# KiCad board panel.kicad_pcb (continued)
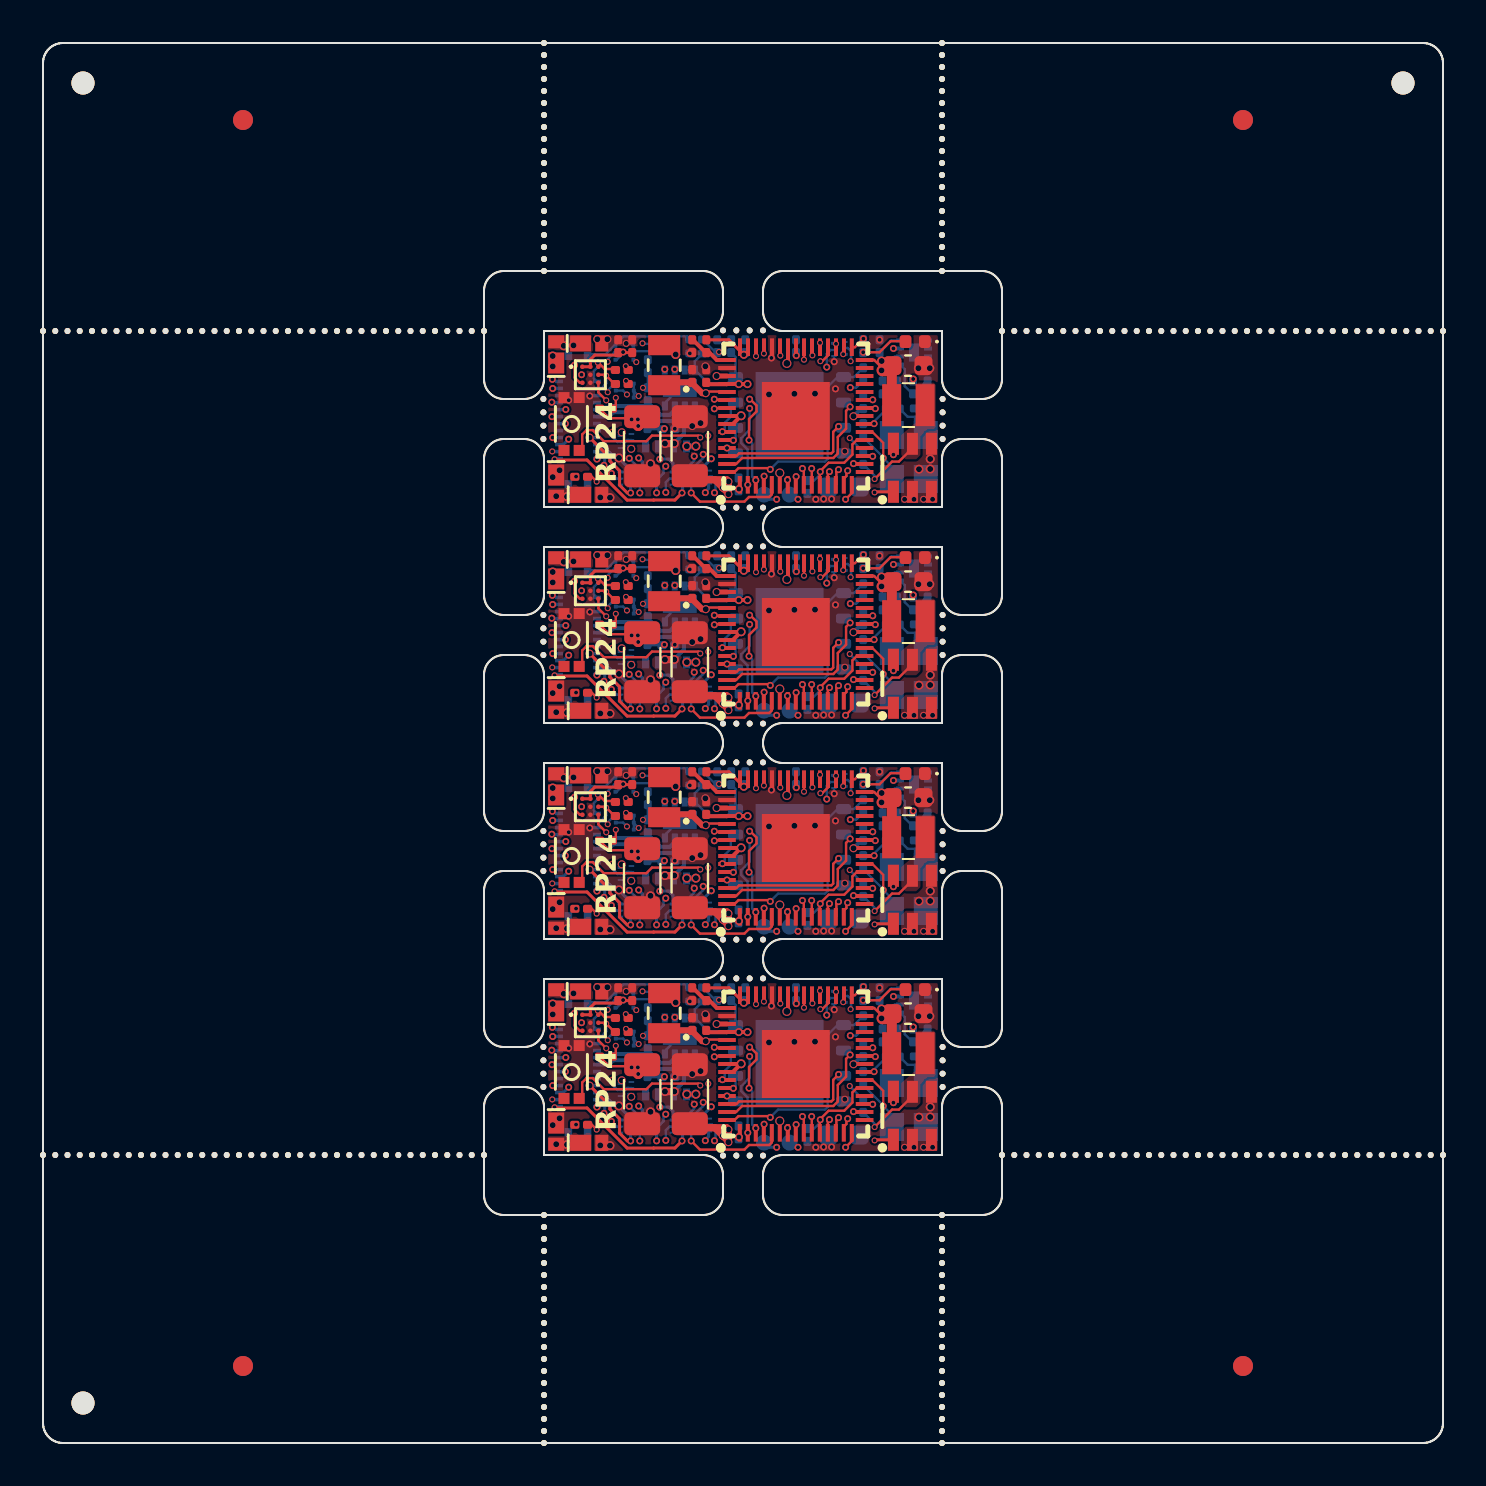
[diagram p0: board, top side]
## Routing (per net, layer and track width the routed paths; a pad name or vN(x,y) marks a point on that pad's centre or on a via; arc(x,y) is an arc through that point) (continued)
  Top w0.2: v2(40.52,40.54) 40.57,40.54 40.58,40.55 U4#4.23 ; U4#4.39 37.25,43.24 v1(37.19,43.18)
  Top w0.3: v2(33.14,41.69) 32.96,41.69 32.46,42.19 ; 31.2,42.23 C9#2.1
  In1.Cu w0.3: v2(33.14,41.69) 33.31,41.86 33.67,41.86 34.76,42.95 36.96,42.95 37.19,43.18 ; v1(36.84,37.7) 36.84,37.76 39.62,40.54 v2(40.52,40.54)
  In2.Cu w0.3: v1(37.19,43.18) 37.25,43.18 37.97,42.47 40.48,42.47 40.8,42.15 40.8,40.81 v2(40.52,40.54)
  Bottom w0.2: v2(40.52,40.54) 40.91,40.92
Board_1-+3.3V: length 30.7
  Top w0.12: v4(34.8,36.9) 34.8,37.07 ; v4(35.04,43.61) 35.15,43.72 35.2,43.72 35.25,43.77 ; v6(41.93,42.83) 41.93,42.98 41.56,43.35 U4#4.30 ; U4#4.20 40.69,39.35 40.47,39.13 40.47,38.62 40.06,38.21 39.28,38.21 38.86,37.8 v5(38.86,37.76) 38.84,37.74 U4#4.11 ; 29.88,40.44 28.31,40.44 R11#3.1
  Top w0.15: R14#3.2 34.29,44.36 v4(35.04,43.61) ; v3(41.58,36.73) 41.61,36.76 U2#3.1 ; U5#3.A1 U5#3.A2 27.37,43.38 27.59,43.59 28.63,43.59 C18.1 C19#2.1 ; 34.85,43.8 34.93,43.72 35.2,43.72
  Top w0.2: 33.25,42.14 34.19,42.14 U4#4.49 34.79,42.15 v4(34.79,42.15) v4(35.23,42.15) ; 34.49,40.15 v6(34.91,40.56) 34.89,40.55 U4#4.53
  Top w0.3: v6(41.93,43.3) 41.93,42.83 v6(41.93,42.83) 41.93,43.3 v6(41.93,43.3)
  Top w0.5: 42.44,42.8 42.47,42.83 C7#3.1 ; 42.44,42.8 42.44,41.09 ; 42.44,42.8 41.96,42.8 v6(41.93,42.83) ; v3(29.76,40.05) v3(29.43,40.38)
  Bottom w0.12: 34.58,42.54 34.22,42.18 33.26,42.18 U6#3.8 ; Q4#3.4 28.68,43.36 28.89,43.57 28.89,43.63 v5(29,43.75) ; U1#3.8 42.41,44.33 41.83,43.74 ; v5(38.86,37.76) 38.86,37.63 38.55,37.32 C16#3.1 ; U6#3.8 U6#3.7 ; U6#3.8 32.59,43.29 C20#2.1 ; v6(41.93,43.3) 41.83,43.4 C1#2.2 ; C3.1 34.63,43.5 U3#2.8 ; v6(41.93,42.83) 41.93,42.35
  Bottom w0.15: v5(26.12,40.17) 26.12,40.17 26.11,40.17 J3#3.18
  vias: v3(29.74,40.38) v5(37.66,43.57)
Board_1-/ADC_EMF_A: length 7.7
  In3.Cu w0.12: v5(31.07,39.91) 31.07,40.46 32.79,42.18 33.83,42.18 34.66,43.01 35.57,43.01 36.05,43.48 v3(36.05,43.67)
  Bottom w0.12: R17#3.2 30.25,39.89
Board_1-/ADC_EMF_B: length 7.8
  Top w0.12: v3(35.65,43.54) U4#4.43
  In3.Cu w0.12: v3(30,41.96) 32.24,41.96 32.95,42.66 33.27,42.66 33.85,43.24 35.35,43.24 v3(35.65,43.54)
  Bottom w0.12: v3(30,41.96) R18.1 R19#3.2
Board_1-/AUX1 (VDC): length 3.9
  In1.Cu w0.15: v5(29.78,38.45) 29.78,38.4 29.43,38.04 28.08,38.04 28.06,38.06 28.06,38.07 v5(28.05,38.09)
  Bottom w0.15: v5(29.78,38.45) 29.97,38.27 29.97,37.84 30.06,37.75 Q5.6 ; 27.7,38.77 27.91,38.77 28.09,38.6 28.09,38.13 28.06,38.11 28.06,38.1 v5(28.05,38.09)
Board_1-/AUX2 (VDC): length 4.6
  In1.Cu w0.15: v5(30.68,36.71) 30.13,37.26 28.24,37.26 27.61,37.89 27.61,38.31 27.69,38.39 27.69,38.39 v5(27.7,38.39)
  Bottom w0.15: 27.7,38.42 27.7,38.4 v5(27.7,38.39) ; Q5.3 30.68,36.71 v5(30.68,36.71)
Board_1-/AUX3: length 19.5
  Top w0.12: 41.09,38.54 41.48,38.54 v5(41.48,38.53)
  In4.Cu w0.12: v5(41.48,38.53) 40.83,38.53 40.23,39.13 39.88,39.13 39.49,39.13 39.02,39.61 36.18,39.61 35.63,40.15 34.76,40.15 34.51,40.4 34.51,40.99 33.44,42.06 30.9,42.06 30.03,41.19 29.04,41.19 28.84,40.99 27.13,40.99 26.43,41.69 25.89,41.69 v5(25.44,41.24)
  Bottom w0.12: 25.8,41.23 25.48,41.23 25.47,41.24 v5(25.44,41.24)
Board_1-/AUX4: length 16.6
  Top w0.12: U4#4.17 40.55,38.15 v5(40.53,38.17)
  In4.Cu w0.12: v5(40.53,38.17) 40.25,38.44 39.85,38.44 38.92,39.38 36.08,39.38 35.54,39.92 34.63,39.92 34.21,40.34 33.25,40.34 33.25,40.34 33.03,40.57 31.75,40.57 31.39,40.93 29.1,40.93 28.94,40.76 26.23,40.76 26.17,40.82 26.17,40.85 v5(26.14,40.88)
  Bottom w0.12: 25.8,40.88 v5(26.14,40.88)
Board_1-/AUX5 (VDC): length 10
  In4.Cu w0.15: v5(25.48,39.47) 25.48,39.48 25.76,39.75 27.06,39.75 27.43,40.12 29.22,40.12 29.73,39.61 30.08,39.61 30.93,38.76 31.25,38.76 31.83,38.18 33.18,38.18 v5(33.41,38.41)
  Bottom w0.15: v5(33.41,38.41) 32.8,37.8 Q8#3.6
Board_1-/AUX6 (VDC): length 6.9
  In4.Cu w0.15: v5(26.29,39.39) 26.6,39.08 29.04,39.08 29.25,39.29 29.94,39.29 v5(30.84,38.39)
  Bottom w0.15: 25.8,39.12 26.02,39.12 v5(26.29,39.39) ; Q7#4.6 31.5,38.19 31.29,38.4 30.99,38.4 30.98,38.39 v5(30.84,38.39)
Board_1-/AUX7 (VDC): length 9.5
  In4.Cu w0.15: v5(33.12,36.72) 32.64,37.2 28.31,37.2 27.15,38.35 26.36,38.35 25.91,38.8 25.45,38.8 25.44,38.8 25.44,38.8 v3(25.46,38.78)
  Bottom w0.15: Q8#3.3 33.28,36.93 33.12,36.76 v5(33.12,36.72) ; v3(25.46,38.78) 25.46,38.78 25.8,38.77
Board_1-/AUX8 (VDC): length 8.1
  Top w0.15: v5(31.95,36.7) 31.6,36.35 30.53,36.35 30.53,36.34 29.21,36.34 27.2,38.35 25.61,38.35 v3(25.58,38.39)
  Bottom w0.15: v5(31.95,36.7) 31.98,36.73 Q7#4.3 ; v3(25.58,38.39) 25.76,38.39 25.8,38.42
Board_1-/AUX10: length 17.3
  Top w0.12: v5(40.23,37.81) 40.17,37.75 40.17,37.55 40.04,37.42
  In4.Cu w0.12: v5(25.45,40.52) 25.45,40.53 25.45,40.53 29.03,40.53 29.2,40.7 31.29,40.7 32.09,39.9 32.09,39.89 32.31,39.68 32.61,39.68 32.73,39.79 33,39.79 33.32,40.11 34.11,40.11 34.54,39.68 34.55,39.69 35.44,39.69 35.99,39.15 38.82,39.15 39.76,38.21 39.92,38.21 40.23,37.9 v5(40.23,37.81)
  Bottom w0.12: 25.8,40.52 25.46,40.52 v5(25.45,40.52)
Board_1-/AUX11: length 16
  In4.Cu w0.12: v5(35.33,40.93) 35.3,40.93 34.25,41.98 34.25,42.62 33.95,42.92 33.53,42.92 32.92,42.31 29.67,42.31 29.31,41.95 28.94,41.95 28.81,42.08 28.12,42.08 27.97,41.92 v5(25.48,41.92)
  Bottom w0.12: v5(35.24,37.11) 35.23,37.12 35.23,38.88 34.91,39.2 34.91,39.44 35.33,39.86 v5(35.33,40.93) ; v5(25.48,41.92) 25.8,41.92
Board_1-/AUX12: length 17.1
  Top w0.12: v5(35.33,41.39) 35.36,41.39 35.68,41.07 35.68,40.78 35.3,40.4 v5(35.3,39.34)
  In4.Cu w0.12: v5(35.33,41.39) 35.61,41.67 35.61,42.49 35.09,43.01 34.79,43.01 34.6,43.2 33.57,43.2 33.32,43.45 32.92,43.45 32.01,42.54 30.59,42.54 30.47,42.67 28.57,42.67 28.31,42.92 28.01,42.92 27.36,42.27 25.58,42.27 v5(25.47,42.38)
  Bottom w0.12: v5(35.64,37.34) 35.46,37.52 35.46,39.18 v5(35.3,39.34)
Board_1-/CAP_ENABLE: length 16.3
  In1.Cu w0.12: v3(33.26,39.56) 33.26,39.69 33.12,39.83 32.76,39.83 32.51,39.57 30.93,39.57 30.72,39.37 28.78,39.37 28.48,39.67 v3(28.48,39.77)
  In3.Cu w0.12: v3(33.26,39.56) 33.87,40.17 38.38,40.17 39.55,41.34 39.55,41.34 40.01,41.8 v3(40.01,43.64)
  Bottom w0.12: v3(28.48,39.77) 28.55,39.7 28.55,39.43 28.73,39.25 Q2#3.5 29.1,39.25 29.2,39.35 Q2#3.2
Board_1-/CAP_VDC: length 10.9
  Top w0.35: v6(31.1,39.17) 31.1,39.17 31.56,39.17 v6(31.56,39.17) ; v2(34.27,37.27) 34.27,36.64 v2(34.27,36.64) 34.27,36.69 v2(33.99,36.96) ; v2(34.27,37.27) 33.99,37 v2(33.99,36.96) ; v2(34.27,37.27) 34.18,37.37 32.55,37.37 33.59,37.37 v2(33.99,36.96)
  In3.Cu w0.4: v2(28.94,39.74) 29.53,39.14 29.54,39.14 ; 29.54,39.14 29.41,39.01 v2(29.41,38.91) ; 29.54,39.14 29.58,39.18 31.56,39.18 v6(31.56,39.17)
  Bottom w0.12: 28.91,39.67 28.91,39.71 v2(28.94,39.74)
  Bottom w0.2: 31.53,39.15 31.91,39.54 31.91,39.54 32.05,39.68 32.05,40.29 32.59,40.83 U6#3.1
  vias: v7(43.08,36.38) v7(43.55,36.38) v7(44.03,36.38) v7(44.48,36.38)
Board_1-/COMP_N: length 2.5
  Bottom w0.12: 42.06,41.66 42.06,41.7 42.57,42.21 42.62,42.21 ; U1#3.6 42.59,43.52 42.46,43.4 42.46,42.54 R4.1
Board_1-/COMP_P: length 2.8
  Bottom w0.12: R1#4.2 43.54,41.66 44.18,42.3 R2#4.1 ; 42.85,43.12 43.09,42.9 43.09,42.04 43.47,41.66 43.53,41.66
Board_1-/DCC_TTL: length 0
  Bottom w0.12: v3(39.65,44.16) 39.64,44.17
Board_1-/GPIO2: length 4.6
  Top w0.12: v5(36.05,37.54) 36.04,37.53 U4#4.4
  In4.Cu w0.12: v5(33.57,36.71) 33.57,37.1 34.16,37.69 35.91,37.69 v5(36.05,37.54)
  Bottom w0.12: Q8#3.2 33.45,37.52 33.62,37.34 33.62,36.76 v5(33.57,36.71)
Board_1-/GPIO3: length 5.8
  Top w0.12: v5(32.41,36.7) 32.85,36.27 35.07,36.27 35.3,36.5 36.31,36.5 36.44,36.63 U4#4.5
  Bottom w0.12: Q8#3.5 32.54,37.42 32.41,37.29 v5(32.41,36.7)
Board_1-/GPIO4: length 8.3
  In3.Cu w0.12: v5(37.23,37.35) 37.3,37.43 37.3,37.8 36.87,38.23 36.22,38.23 35.7,37.71 34.16,37.71 33.52,37.07 31.48,37.07 v5(31.14,36.73)
  Bottom w0.12: Q7#4.5 31.33,37.42 31.14,37.23 v5(31.14,36.73)
Board_1-/GPIO5: length 10.1
  Top w0.12: U4#4.8 37.64,37.51 v5(37.65,37.52)
  In4.Cu w0.12: v5(29.84,36.7) 30.27,36.27 36.08,36.27 36.82,37.01 37.42,37.01 37.6,37.19 37.6,37.47 v5(37.65,37.52)
  Bottom w0.12: v5(29.84,36.7) 29.84,37.32 29.94,37.42 Q5.5
Board_1-/GPIO6: length 11.5
  Top w0.12: v5(37.97,37.92) 38.04,37.86 U4#4.9
  In4.Cu w0.12: v5(28.42,37.68) 28.66,37.44 33.58,37.44 34.06,37.91 35.91,37.91 36.22,38.23 37.67,38.23 v5(37.97,37.92)
  Bottom w0.12: Q6.5 28.68,37.42 v5(28.42,37.68)
Board_1-/GPIO7: length 12.2
  Top w0.12: U4#4.10 38.44,37.92 v5(38.43,37.92)
  In4.Cu w0.12: v5(29.31,38.44) 30.07,37.67 33.49,37.67 33.96,38.15 35.81,38.15 36.13,38.46 38.1,38.46 38.43,38.13 38.43,37.95
  Bottom w0.12: Q6.2 29.64,37.52 29.72,37.6 29.72,38.02 v5(29.31,38.44)
Board_1-/GPIO8: length 10.4
  Top w0.12: U4#4.12 39.24,37.69 v5(39.32,37.77)
  In4.Cu w0.12: v5(31.14,38.04) 31.24,37.93 33.43,37.93 33.87,38.38 35.72,38.38 36.03,38.69 38.42,38.69 39.32,37.79 v5(39.32,37.77)
  Bottom w0.12: Q5.2 30.85,37.52 31.03,37.69 31.03,37.93 v5(31.14,38.04)
Board_1-/GPIO9: length 9.8
  Top w0.12: 39.67,37.14 39.67,37.76 v5(39.78,37.87)
  In4.Cu w0.12: v5(39.78,37.87) 38.73,38.92 35.93,38.92 35.62,38.6 33.71,38.6 33.56,38.76 33.13,38.76 v5(33.01,38.63)
  Bottom w0.12: Q7#4.2 32.14,37.52 32.36,37.74 32.36,37.8 33.01,38.45 v5(33.01,38.63)
Board_1-/GPIO25: length 8
  Top w0.12: v3(38.05,43.37) U4#4.37
  In4.Cu w0.12: v3(38.05,43.37) 37.47,42.78 35.95,42.78 35.5,43.24 34.89,43.24 34.7,43.43 33.67,43.43 33.42,43.68 32.83,43.68 32.03,42.89 v5(31.59,42.89)
Board_1-/GPIO26: length 7.4
  Top w0.12: v3(36.86,43.57) 36.85,43.58 U4#4.40
  In4.Cu w0.12: v3(36.86,43.57) 36.86,43.5 36.29,44.07 31.52,44.07 31.09,43.64 v5(31.09,42.89)
Board_1-/I2S_BCLK: length 14.1
  Top w0.12: v5(26.58,43.09) 26.58,43 26.58,43 26.58,42.47 26.84,42.21 U5#3.C1
  In4.Cu w0.12: v5(26.58,43.09) 26.58,43.09 27.37,43.89 28.38,43.89 29.02,44.53 38.53,44.53 v3(38.85,44.21)
Board_1-/I2S_DIN: length 14.5
  Top w0.12: v3(38.87,43.29) 38.96,43.29 39.25,43.58 U4#4.34
  In4.Cu w0.12: v5(26.93,42.61) 26.93,42.91 27.59,43.58 28.39,43.58 28.57,43.4 29.29,43.4 29.49,43.6 29.85,43.6 30.54,44.3 38.25,44.3 38.87,43.68 v3(38.87,43.29)
Board_1-/I2S_LRCLK: length 15.8
  Top w0.12: U4#4.36 38.45,43.6 v3(38.47,43.58) ; v3(28.16,41.33) 27.77,41.73 U5#3.C3
  In3.Cu w0.12: v3(28.16,41.33) 27.38,42.11 27.38,43.37 28.03,44.02 28.37,44.02 28.88,44.53 37.52,44.53 v3(38.47,43.58)
Board_1-/LAMP_FRONT: length 4.6
  Top w0.15: v5(29.38,36.7) 29.22,36.7 28.83,37.09 28.83,37.81 28.34,38.3 28.34,38.47 27.34,39.47 v2(27.33,39.47)
  Bottom w0.15: v5(29.38,36.7) Q6.3 ; v2(27.33,39.47) 27.33,39.48 27.7,39.48
Board_1-/LAMP_REAR: length 2
  Bottom w0.15: 28.88,37.75 28.37,38.26 28.37,38.69 27.93,39.12 27.7,39.12
Board_1-/MOTOR_A: length 5.1
  Bottom w0.2: 27.7,40.52 28.3,40.52 28.51,40.74 29.91,40.74 29.92,40.73 30.3,40.73 30.73,40.3 31.53,40.3 32.09,40.86 U6#3.2
Board_1-/MOTOR_B: length 4.7
  Bottom w0.12: 30.43,41.04 30.24,41.23
  Bottom w0.2: 27.7,40.88 27.8,40.97 28.31,40.97 28.39,41.05 30.04,41.05 30.05,41.04 30.43,41.04 30.86,40.61 31.34,40.61 31.59,40.86 U6#3.3
Board_1-/QSPI_CS: length 10.4
  Top w0.12: 34.58,37.75 34.77,37.94 36.3,37.94 v5(36.36,37.88)
  Bottom w0.12: U3#2.1 40.54,42.49 R6.1 ; v5(36.36,37.88) 36.75,38.27 39.1,38.27 39.23,38.4 39.23,42 39.72,42.49
Board_1-/QSPI_SCLK: length 0.7
  Bottom w0.12: U3#2.6 34.63,39.45 v5(34.52,39.34)
Board_1-/QSPI_SD0: length 0.4
  Bottom w0.12: 34.47,38.69 v5(34.2,38.95)
Board_1-/QSPI_SD1: length 8.7
  Top w0.12: U4#4.59 34.65,38.15 34.95,38.45 39.52,38.45 39.74,38.67 39.74,39.5 40.15,39.91 40.15,40.81 v5(40.35,41.01)
  Bottom w0.12: v5(40.35,41.01) 40.14,41.23
Board_1-/QSPI_SD2: length 6.8
  Top w0.12: v5(39.78,40.03) 39.51,39.76 39.51,38.77 39.42,38.68 34.8,38.68 34.67,38.55 U4#4.58
Board_1-/QSPI_SD3: length 1.7
  Bottom w0.12: U3#2.7 34.39,40.98 34.39,40.51 34.09,40.21 34.09,39.88 v5(33.97,39.76)
Board_1-/RC_TX: length 14.6
  Top w0.12: R13#3.2 27.44,37.51 v3(27.68,37.27) ; v5(40.13,36.38) 40.44,36.7 U4#4.15
  In1.Cu w0.12: v3(27.68,37.27) 27.94,37.02 28.36,37.02 29.11,36.27 36.08,36.27 36.55,36.74 39.77,36.74 v5(40.13,36.38)
Board_1-/SPEAKER_N: length 2
  Top w0.12: U5#3.B3 28.11,42.61 v3(28.16,42.56) 28.58,42.15
  Bottom w0.12: 27.7,41.92 27.91,41.92 28.16,42.17 v3(28.16,42.56)
Board_1-/SPEAKER_P: length 2.3
  Top w0.12: U5#3.A3 27.77,43.2 v3(27.74,43.22) 27.77,43.22 28.09,42.9 28.57,42.9
  Bottom w0.12: v3(27.74,43.22) 27.74,43 27.55,42.81 27.55,42.42 27.7,42.27
Board_1-/SWCLK: length 10.1
  Top w0.15: U4#4.24 41.58,40.95 v5(41.62,40.92)
  In4.Cu w0.15: v5(37.75,36.39) 37.75,36.63 38.22,37.1 40.66,37.1 41.29,37.73 42.51,37.73 43.14,38.36 43.14,39.5 41.72,40.92 v5(41.62,40.92)
Board_1-/SWDIO: length 12
  Top w0.15: v5(41.49,41.36) 41.48,41.35 U4#4.25
  In4.Cu w0.15: v5(41.49,41.36) 41.26,41.13 41.26,40.75 41.48,40.53 41.74,40.53 42.88,39.39 42.88,38.47 42.41,37.99 41.18,37.99 40.55,37.36 38.12,37.36 37.52,36.77 37.01,36.77 36.68,36.43 v5(36.68,36.38)
  Bottom w0.15: v5(36.68,36.38) 36.29,36.38 J1#2.1
Board_1-/SWITCH: length 3.7
  Top w0.12: v3(41.58,37.4) 42.45,38.27 42.79,38.27 43.47,38.95 U2#3.5
  Bottom w0.12: C5#2.2 41.58,37.56 v3(41.58,37.4)
Board_1-/TRACK_LEFT: length 5.5
  Bottom w0.12: 27.33,43.64 28.13,43.64 28.55,44.06 Q4#3.6 28.62,44.13 29.02,44.53 32.19,44.53 R7.2
  vias: v6(26.04,44.06) v6(26.52,44.08)
Board_1-/TRACK_RIGHT: length 8.6
  In2.Cu w0.12: v6(25.66,36.54) 25.66,37.11 26.22,37.67 26.22,38.46 25.83,38.86 25.83,39.62 25.73,39.71 25.73,40.28 25.79,40.34 25.79,40.68 25.77,40.7 25.77,41.02 25.89,41.14 25.89,41.43 26.17,41.71 26.98,41.71 27.17,41.9 28.08,41.9 v3(28.24,41.74)
  Bottom w0.12: Q3#3.6 28.58,42.17 28.24,41.83 v3(28.24,41.74)
  vias: v6(26.2,36.52)
Board_1-/USB_N: length 5.7
  Top w0.12: v5(33.57,40.91) 33.61,40.95 U4#4.52
  In1.Cu w0.12: v3(29.15,42.31) 29.22,42.38 30.58,42.38 31.93,41.03 33.45,41.03 v5(33.57,40.91)
Board_1-/USB_P: length 5.9
  Top w0.12: U4#4.51 33.6,41.35 v5(33.57,41.39)
  In1.Cu w0.12: v3(29.14,43.04) 29.56,42.62 30.68,42.62 32.03,41.27 33.45,41.27 v5(33.57,41.39)
Board_1-/XIN: length 4.6
  Top w0.11: U4#4.21 41.47,39.75 42.01,39.21 v5(42.01,38.45)
  Bottom w0.11: C6.1 41.01,39.49 42.01,38.49 v5(42.01,38.45) 42.44,38.02 Y1#2.1
Board_1-/XOUT: length 1.5
  Top w0.12: v5(41.55,40.17) 41.54,40.15 U4#4.22
  Bottom w0.12: v5(41.55,40.17) 41.55,40.27 42.17,40.89 R5#4.2
Board_1-GND: length 5.9
  Top w0.12: U4#4.41 36.45,43.48 v5(36.42,43.45)
  Bottom w0.12: v5(26.29,41.34) 26.29,41.35 26.07,41.58 25.8,41.58 ; Q7#4.1 32.05,37.82 32.56,38.33 v5(32.56,38.54) ; v5(39.56,43.26) 39.55,43.28 Q1#2.4 ; v7(29.16,44.18) 29.4,44.18 Q4#3.1 ; 32.16,42.34 32.55,42.34 ; 31.16,41.28 31.17,41.28 U6#3.9
  Bottom w0.15: Q6.1 28.8,38.43 v6(28.8,38.45) ; 27.7,41.58 27.36,41.58 v5(27.34,41.55) ; v6(30.38,38.16) 30.38,38.12 30.68,37.82 Q5.1
  vias: v2(27.72,44.39) v2(28.22,44.39) v2(32.46,40.05) v2(32.88,40.2) v2(33.12,43.03) v5(31.59,39.91) v5(32.34,43.68) v5(38.64,36.38) v5(39.03,36.4) v5(39.43,36.4) v5(39.62,41.91) v5(41.83,44.36) v6(27.87,36.48) v6(28.35,36.47) v6(36.3,41.63) v6(37.57,41.66) v6(38.6,41.67) v6(43.77,42.94) v6(43.8,37.89) v6(44.34,42.94) v6(44.36,38.4) v6(44.36,37.9) v7(40.09,38.79)
Board_1-Net-(C4-Pad1): length 2.9
  Bottom w0.12: R5#4.1 43.23,40.51 43.79,40.51 C4.1 ; Y1#2.3 43.6,40.14 43.6,40.51
Board_1-Net-(D7-A): length 2.3
  Top w0.12: v5(41.01,43.74) 41.83,43.74 42.38,44.29 43.1,44.29
Board_1-Net-(Q1A-G1): length 9.6
  In2.Cu w0.12: v3(40.38,43.29) 40.38,43.93 39.78,44.53 34.58,44.53 v3(33.8,43.75)
  Bottom w0.12: Q1#2.2 40.24,43.95 40.4,43.79 40.4,43.31 v3(40.38,43.29) ; 33.64,43.72 R7.1
Board_1-Net-(Q1B-G2): length 5.2
  In4.Cu w0.12: v5(39.19,42.99) 39.27,42.92 39.92,42.92 39.92,42.92 40.98,42.92 41.99,43.93 v5(42.52,43.93)
  Bottom w0.12: v5(42.52,43.93) 42.6,43.93 42.6,43.92 42.85,43.92 ; v5(39.19,42.99) 39.19,43.66 39.38,43.85 Q1#2.5
Board_1-Net-(Q3A-B1): length 5
  In2.Cu w0.12: v3(29.97,44.19) 29.98,44.18 29.98,43.11 29.53,42.66 29.53,41.8 v3(29.78,41.55)
  Bottom w0.12: Q3#3.2 Q3#3.3 ; Q3#3.1 29.54,41.79 v3(29.78,41.55) ; R12#4.1 30,44.16 v3(29.97,44.19)
Board_1-Net-(Q3B-B2): length 9.9
  In1.Cu w0.12: v3(29.2,41.63) 29.2,41.43 28.29,40.52 25.97,40.52 25.76,40.31 25.76,39.68 25.83,39.62 25.83,38.86 26.65,38.04 v3(26.65,37.52)
  In3.Cu w0.12: v3(29.2,41.63) 29.51,41.94 29.51,43.09 v3(29.66,43.24)
  Bottom w0.12: v3(29.66,43.24) 29.64,43.24 Q4#3.3 ; v3(29.2,41.63) 29,41.82 Q3#3.5
Board_1-Net-(Q3B-E2): length 3.2
  Top w0.12: v3(28.64,41.46) 28.64,41.09 R11#3.2
  In3.Cu w0.12: v3(28.64,41.46) 28.64,42.86 v3(28.24,43.26)
  Bottom w0.12: Q4#3.5 28.56,43.71 28.24,43.39 v3(28.24,43.26)
Board_1-Net-(Q4A-B1): length 2.2
  Bottom w0.12: Q4#3.2 29.6,43.79 31.21,43.79 R12#4.2
Board_1-Net-(R6-Pad2): length 16.6
  Top w0.12: v3(32.86,39.47) 32.77,39.57 30.45,39.57 30.17,39.29 28.04,39.29 27.49,39.84 27.18,39.84 26.96,39.63 26.96,38.98 26.96,38.98
  In3.Cu w0.12: v3(32.86,39.47) 33.09,39.24 33.94,39.24 34.63,39.94 38.47,39.94 39.78,41.24 39.78,41.25 40.36,41.83 v5(40.36,41.97)
  Bottom w0.12: v5(40.36,41.97) 40.66,41.97 R6.2
Board_1-Net-(U2-BST): length 3.5
  In1.Cu w0.12: v5(42.52,38.61) 41.69,39.45 v3(40.34,39.45)
  Bottom w0.12: v3(40.34,39.45) 40.34,39.44 C5#2.1
Board_1-Net-(U4-GPIO19): length 0.8
  Top w0.12: U4#4.31 40.59,43.99 v5(41.02,44.41)
Board_1-Net-(U4-VREG_AVDD): length 2.1
  Top w0.2: R14#3.1 33.32,43.72 33.69,43.35 U4#4.46 ; 33.14,43.72 32.5,44.36
Board_1-Net-(U4-VREG_LX): length 3.1
  Top w0.25: v2(33.68,42.55) U4#4.48
  In1.Cu w0.35: v6(31.63,43.63) 31.63,43.56 32.64,42.55 v2(33.68,42.55)
Board_1-VDC: length 13.3
  In3.Cu w0.12: v5(43.51,42.4) 41.39,42.4 40.61,41.62 40.48,41.62 40.01,41.15 40.01,41.15 38.57,39.71 35.18,39.71 34.95,39.48 34.95,39.21 34.34,38.6 34.06,38.6 33.65,39.01 32.67,39.01 v6(32.64,39.04)
  Bottom w0.3: 32.18,39.03 32.63,39.03 v6(32.64,39.04)
  vias: v6(25.49,43.55) v6(25.49,43.03) v6(25.49,37.49) v6(25.83,37.84) v6(32.19,39.04)
Board_2-+1V1: length 20.5
  Top w0.12: 34.18,30.97 33.22,30.97 v2(33.14,30.89)
  Top w0.2: U4#2.23 40.58,29.75 40.57,29.74 v2(40.52,29.74) ; U4#2.39 37.25,32.44 v1(37.19,32.38)
  Top w0.3: 31.2,31.43 C9#4.1 ; 32.46,31.39 32.96,30.89 v2(33.14,30.89)
  In1.Cu w0.3: v1(36.84,26.9) 36.84,26.96 39.62,29.74 v2(40.52,29.74) ; 37.19,32.38 36.96,32.15 34.76,32.15 33.67,31.06 33.31,31.06 v2(33.14,30.89)
  In2.Cu w0.3: v1(37.19,32.38) 37.25,32.38 37.97,31.66 40.48,31.66 40.8,31.35 40.8,30.01 v2(40.52,29.74)
  Bottom w0.2: v2(40.52,29.74) 40.91,30.12
Board_2-+3.3V: length 30.7
  Top w0.12: v4(34.8,26.1) 34.8,26.27 ; 35.25,32.97 35.2,32.92 35.15,32.92 v4(35.04,32.81) ; U4#2.20 40.69,28.55 40.47,28.33 40.47,27.82 40.06,27.41 39.28,27.41 38.86,27 v5(38.86,26.96) 38.84,26.94 U4#2.11 ; v6(41.93,32.03) 41.93,32.18 41.56,32.55 U4#2.30 ; 29.88,29.64 28.31,29.64 R11#2.1
  Top w0.15: 35.2,32.92 34.93,32.92 34.85,33 ; U2#2.1 41.61,25.96 v3(41.58,25.93) ; U5.A1 U5.A2 27.37,32.58 27.59,32.8 28.63,32.8 C18#3.1 C19#3.1 ; v4(35.04,32.81) 34.29,33.56 R14#2.2
  Top w0.2: 33.25,31.34 34.19,31.34 U4#2.49 34.79,31.35 v4(34.79,31.35) v4(35.23,31.35) ; U4#2.53 34.89,29.75 v6(34.91,29.76) 34.49,29.35
  Top w0.3: v6(41.93,32.5) 41.93,32.03 v6(41.93,32.03) 41.93,32.5 v6(41.93,32.5)
  Top w0.5: 42.44,31.99 41.96,31.99 v6(41.93,32.03) ; 42.44,31.99 42.47,32.03 C7.1 ; 42.44,31.99 42.44,30.29 ; v3(29.76,29.25) v3(29.43,29.58)
  Bottom w0.12: C20.1 32.59,32.49 U6#4.8 ; 41.83,32.94 42.41,33.52 U1#4.8 ; U6#4.8 U6#4.7 ; U6#4.8 33.26,31.38 34.22,31.38 34.58,31.74 ; C1#3.2 41.83,32.6 v6(41.93,32.5) ; v6(41.93,32.03) 41.93,31.55 ; v5(38.86,26.96) 38.86,26.83 38.55,26.52 C16#2.1 ; v5(29,32.95) 28.89,32.83 28.89,32.77 28.68,32.56 Q4.4 ; C3#3.1 34.63,32.7 U3#4.8
  Bottom w0.15: J3.18 26.11,29.37 26.12,29.37 v5(26.12,29.37)
  vias: v3(29.74,29.58) v5(37.66,32.77)
Board_2-/ADC_EMF_A: length 7.7
  In3.Cu w0.12: v5(31.07,29.12) 31.07,29.66 32.79,31.38 33.83,31.38 34.66,32.21 35.57,32.21 36.05,32.68 v3(36.05,32.87)
  Bottom w0.12: R17.2 30.25,29.09
Board_2-/ADC_EMF_B: length 7.8
  Top w0.12: v3(35.65,32.74) U4#2.43
  In3.Cu w0.12: v3(35.65,32.74) 35.35,32.44 33.85,32.44 33.27,31.86 32.95,31.86 32.24,31.16 v3(30,31.16)
  Bottom w0.12: v3(30,31.16) R18#4.1 R19.2
Board_2-/AUX1 (VDC): length 3.9
  In1.Cu w0.15: v5(28.05,27.29) 28.06,27.27 28.06,27.26 28.08,27.24 29.43,27.24 29.78,27.6 v5(29.78,27.65)
  Bottom w0.15: v5(29.78,27.65) 29.97,27.47 29.97,27.05 30.06,26.95 Q5#4.6 ; v5(28.05,27.29) 28.06,27.3 28.06,27.31 28.09,27.33 28.09,27.8 27.91,27.98 27.7,27.98
Board_2-/AUX2 (VDC): length 4.6
  In1.Cu w0.15: v5(30.68,25.91) 30.13,26.46 28.24,26.46 27.61,27.09 27.61,27.51 27.69,27.59 27.69,27.59 v5(27.7,27.59)
  Bottom w0.15: v5(30.68,25.91) 30.68,25.91 Q5#4.3 ; v5(27.7,27.59) 27.7,27.6 27.7,27.62
Board_2-/AUX3: length 19.5
  Top w0.12: 41.09,27.74 41.48,27.74 v5(41.48,27.73)
  In4.Cu w0.12: v5(41.48,27.73) 40.83,27.73 40.23,28.33 39.88,28.33 39.49,28.33 39.02,28.81 36.18,28.81 35.63,29.35 34.76,29.35 34.51,29.6 34.51,30.19 33.44,31.26 30.9,31.26 30.03,30.39 29.04,30.39 28.84,30.19 27.13,30.19 26.43,30.89 25.89,30.89 v5(25.44,30.44)
  Bottom w0.12: v5(25.44,30.44) 25.47,30.44 25.48,30.42 25.8,30.42
Board_2-/AUX4: length 16.6
  Top w0.12: v5(40.53,27.37) 40.55,27.35 U4#2.17
  In4.Cu w0.12: v5(26.14,30.08) 26.17,30.05 26.17,30.02 26.23,29.96 28.94,29.96 29.1,30.13 31.39,30.13 31.75,29.77 33.03,29.77 33.25,29.54 33.25,29.54 34.21,29.54 34.63,29.12 35.54,29.12 36.08,28.58 38.92,28.58 39.85,27.64 40.25,27.64 v5(40.53,27.37)
  Bottom w0.12: 25.8,30.08 v5(26.14,30.08)
Board_2-/AUX5 (VDC): length 10
  In4.Cu w0.15: v5(33.41,27.61) 33.18,27.38 31.83,27.38 31.25,27.96 30.93,27.96 30.08,28.81 29.73,28.81 29.22,29.32 27.43,29.32 27.06,28.95 25.76,28.95 25.48,28.67 v5(25.48,28.67)
  Bottom w0.15: v5(33.41,27.61) 32.8,27 Q8.6
Board_2-/AUX6 (VDC): length 6.9
  In4.Cu w0.15: v5(26.29,28.59) 26.6,28.28 29.04,28.28 29.25,28.49 29.94,28.49 v5(30.84,27.59)
  Bottom w0.15: v5(30.84,27.59) 30.98,27.59 30.99,27.6 31.29,27.6 31.5,27.39 Q7#3.6 ; 25.8,28.33 26.02,28.33 v5(26.29,28.59)
Board_2-/AUX7 (VDC): length 9.5
  In4.Cu w0.15: v5(33.12,25.92) 32.64,26.4 28.31,26.4 27.15,27.55 26.36,27.55 25.91,28 25.45,28 25.44,28 25.44,28 v3(25.46,27.98)
  Bottom w0.15: Q8.3 33.28,26.13 33.12,25.96 v5(33.12,25.92) ; v3(25.46,27.98) 25.46,27.98 25.8,27.98
Board_2-/AUX8 (VDC): length 8.1
  Top w0.15: v5(31.95,25.9) 31.6,25.55 30.53,25.55 30.53,25.55 29.21,25.55 27.2,27.55 25.61,27.55 v3(25.58,27.59)
  Bottom w0.15: v5(31.95,25.9) 31.98,25.93 Q7#3.3 ; 25.8,27.62 25.76,27.59 v3(25.58,27.59)
Board_2-/AUX10: length 17.3
  Top w0.12: v5(40.23,27.01) 40.17,26.95 40.17,26.75 40.04,26.62
  In4.Cu w0.12: v5(40.23,27.01) 40.23,27.1 39.92,27.41 39.76,27.41 38.82,28.35 35.99,28.35 35.44,28.89 34.55,28.89 34.54,28.88 34.11,29.31 33.32,29.31 33,28.99 32.73,28.99 32.61,28.88 32.31,28.88 32.09,29.09 32.09,29.1 31.29,29.9 29.2,29.9 29.03,29.73 25.45,29.73 25.45,29.73 v5(25.45,29.72)
  Bottom w0.12: v5(25.45,29.72) 25.46,29.73 25.8,29.73
Board_2-/AUX11: length 16
  In4.Cu w0.12: v5(35.33,30.13) 35.3,30.13 34.25,31.18 34.25,31.82 33.95,32.12 33.53,32.12 32.92,31.51 29.67,31.51 29.31,31.15 28.94,31.15 28.81,31.28 28.12,31.28 27.97,31.12 v5(25.48,31.12)
  Bottom w0.12: v5(35.33,30.13) 35.33,29.06 34.91,28.64 34.91,28.4 35.23,28.08 35.23,26.32 v5(35.24,26.31) ; v5(25.48,31.12) 25.8,31.12
Board_2-/AUX12: length 17.1
  Top w0.12: v5(35.33,30.59) 35.36,30.59 35.68,30.27 35.68,29.98 35.3,29.6 v5(35.3,28.54)
  In4.Cu w0.12: v5(25.47,31.58) 25.58,31.47 27.36,31.47 28.01,32.12 28.31,32.12 28.57,31.87 30.47,31.87 30.59,31.74 32.01,31.74 32.92,32.65 33.32,32.65 33.57,32.4 34.6,32.4 34.79,32.21 35.09,32.21 35.61,31.69 35.61,30.87 v5(35.33,30.59)
  Bottom w0.12: v5(35.64,26.54) 35.46,26.72 35.46,28.38 v5(35.3,28.54)
Board_2-/CAP_ENABLE: length 16.3
  In1.Cu w0.12: v3(28.48,28.97) 28.48,28.87 28.78,28.57 30.72,28.57 30.93,28.77 32.51,28.77 32.76,29.03 33.12,29.03 33.26,28.89 v3(33.26,28.76)
  In3.Cu w0.12: v3(33.26,28.76) 33.87,29.37 38.38,29.37 39.55,30.54 39.55,30.54 40.01,31 v3(40.01,32.84)
  Bottom w0.12: v3(28.48,28.97) 28.55,28.9 28.55,28.63 28.73,28.45 Q2#4.5 29.1,28.45 29.2,28.55 Q2#4.2
Board_2-/CAP_VDC: length 10.9
  Top w0.35: v6(31.56,28.38) 31.56,28.37 31.1,28.37 v6(31.1,28.37) ; v2(34.27,26.47) 33.99,26.2 v2(33.99,26.16) ; v2(34.27,26.47) 34.27,25.84 v2(34.27,25.84) 34.27,25.89 v2(33.99,26.16) ; v2(34.27,26.47) 34.18,26.56 32.55,26.56 33.59,26.56 v2(33.99,26.16)
  In3.Cu w0.4: v2(28.94,28.94) 29.53,28.34 29.54,28.34 ; v2(29.41,28.11) 29.41,28.21 29.54,28.34 ; 29.54,28.34 29.58,28.38 31.56,28.38 v6(31.56,28.38)
  Bottom w0.12: 28.91,28.87 28.91,28.91 v2(28.94,28.94)
  Bottom w0.2: 31.53,28.35 31.91,28.74 31.91,28.74 32.05,28.88 32.05,29.49 32.59,30.03 U6#4.1
  vias: v7(43.08,25.58) v7(43.55,25.58) v7(44.03,25.58) v7(44.48,25.58)
Board_2-/COMP_N: length 2.5
  Bottom w0.12: 42.06,30.85 42.06,30.9 42.57,31.41 42.62,31.41 ; U1#4.6 42.59,32.73 42.46,32.6 42.46,31.74 R4#2.1
Board_2-/COMP_P: length 2.8
  Bottom w0.12: 42.85,32.33 43.09,32.09 43.09,31.24 43.47,30.86 43.53,30.86 ; R2.1 44.18,31.5 43.54,30.86 R1.2
Board_2-/DCC_TTL: length 0
  Bottom w0.12: v3(39.65,33.36) 39.64,33.37
Board_2-/GPIO2: length 4.6
  Top w0.12: v5(36.05,26.74) 36.04,26.73 U4#2.4
  In4.Cu w0.12: v5(33.57,25.91) 33.57,26.3 34.16,26.88 35.91,26.88 v5(36.05,26.74)
  Bottom w0.12: Q8.2 33.45,26.72 33.62,26.55 33.62,25.96 v5(33.57,25.91)
Board_2-/GPIO3: length 5.8
  Top w0.12: v5(32.41,25.91) 32.85,25.47 35.07,25.47 35.3,25.7 36.31,25.7 36.44,25.83 U4#2.5
  Bottom w0.12: Q8.5 32.54,26.62 32.41,26.49 v5(32.41,25.91)
Board_2-/GPIO4: length 8.3
  In3.Cu w0.12: v5(37.23,26.55) 37.3,26.63 37.3,27 36.87,27.43 36.22,27.43 35.7,26.91 34.16,26.91 33.52,26.27 31.48,26.27 v5(31.14,25.93)
  Bottom w0.12: v5(31.14,25.93) 31.14,26.43 31.33,26.62 Q7#3.5
Board_2-/GPIO5: length 10.1
  Top w0.12: U4#2.8 37.64,26.71 v5(37.65,26.72)
  In4.Cu w0.12: v5(29.84,25.91) 30.27,25.47 36.08,25.47 36.82,26.21 37.42,26.21 37.6,26.39 37.6,26.67 v5(37.65,26.72)
  Bottom w0.12: Q5#4.5 29.94,26.62 29.84,26.52 v5(29.84,25.91)
Board_2-/GPIO6: length 11.5
  Top w0.12: v5(37.97,27.12) 38.04,27.06 U4#2.9
  In4.Cu w0.12: v5(28.42,26.88) 28.66,26.64 33.58,26.64 34.06,27.12 35.91,27.12 36.22,27.43 37.67,27.43 v5(37.97,27.12)
  Bottom w0.12: Q6#4.5 28.68,26.62 v5(28.42,26.88)
Board_2-/GPIO7: length 12.2
  Top w0.12: v5(38.43,27.12) 38.44,27.12 U4#2.10
  In4.Cu w0.12: 38.43,27.15 38.43,27.33 38.1,27.66 36.13,27.66 35.81,27.34 33.96,27.34 33.49,26.87 30.07,26.87 v5(29.31,27.63)
  Bottom w0.12: v5(29.31,27.63) 29.72,27.22 29.72,26.8 29.64,26.72 Q6#4.2
Board_2-/GPIO8: length 10.4
  Top w0.12: U4#2.12 39.24,26.89 v5(39.32,26.97)
  In4.Cu w0.12: v5(31.14,27.24) 31.24,27.13 33.43,27.13 33.87,27.58 35.72,27.58 36.03,27.89 38.42,27.89 39.32,26.99 v5(39.32,26.97)
  Bottom w0.12: v5(31.14,27.24) 31.03,27.13 31.03,26.89 30.85,26.72 Q5#4.2
Board_2-/GPIO9: length 9.8
  Top w0.12: 39.67,26.34 39.67,26.96 v5(39.78,27.07)
  In4.Cu w0.12: v5(33.01,27.83) 33.13,27.96 33.56,27.96 33.71,27.8 35.62,27.8 35.93,28.12 38.73,28.12 v5(39.78,27.07)
  Bottom w0.12: v5(33.01,27.83) 33.01,27.65 32.36,27 32.36,26.94 32.14,26.72 Q7#3.2
Board_2-/GPIO25: length 8
  Top w0.12: v3(38.05,32.57) U4#2.37
  In4.Cu w0.12: v5(31.59,32.09) 32.03,32.09 32.83,32.88 33.42,32.88 33.67,32.63 34.7,32.63 34.89,32.44 35.5,32.44 35.95,31.98 37.47,31.98 v3(38.05,32.57)
